# EAGLE board Mk4 Final a Panel score 2x5 (EAGLE 9.0.1), part 29 of 29 (continued)
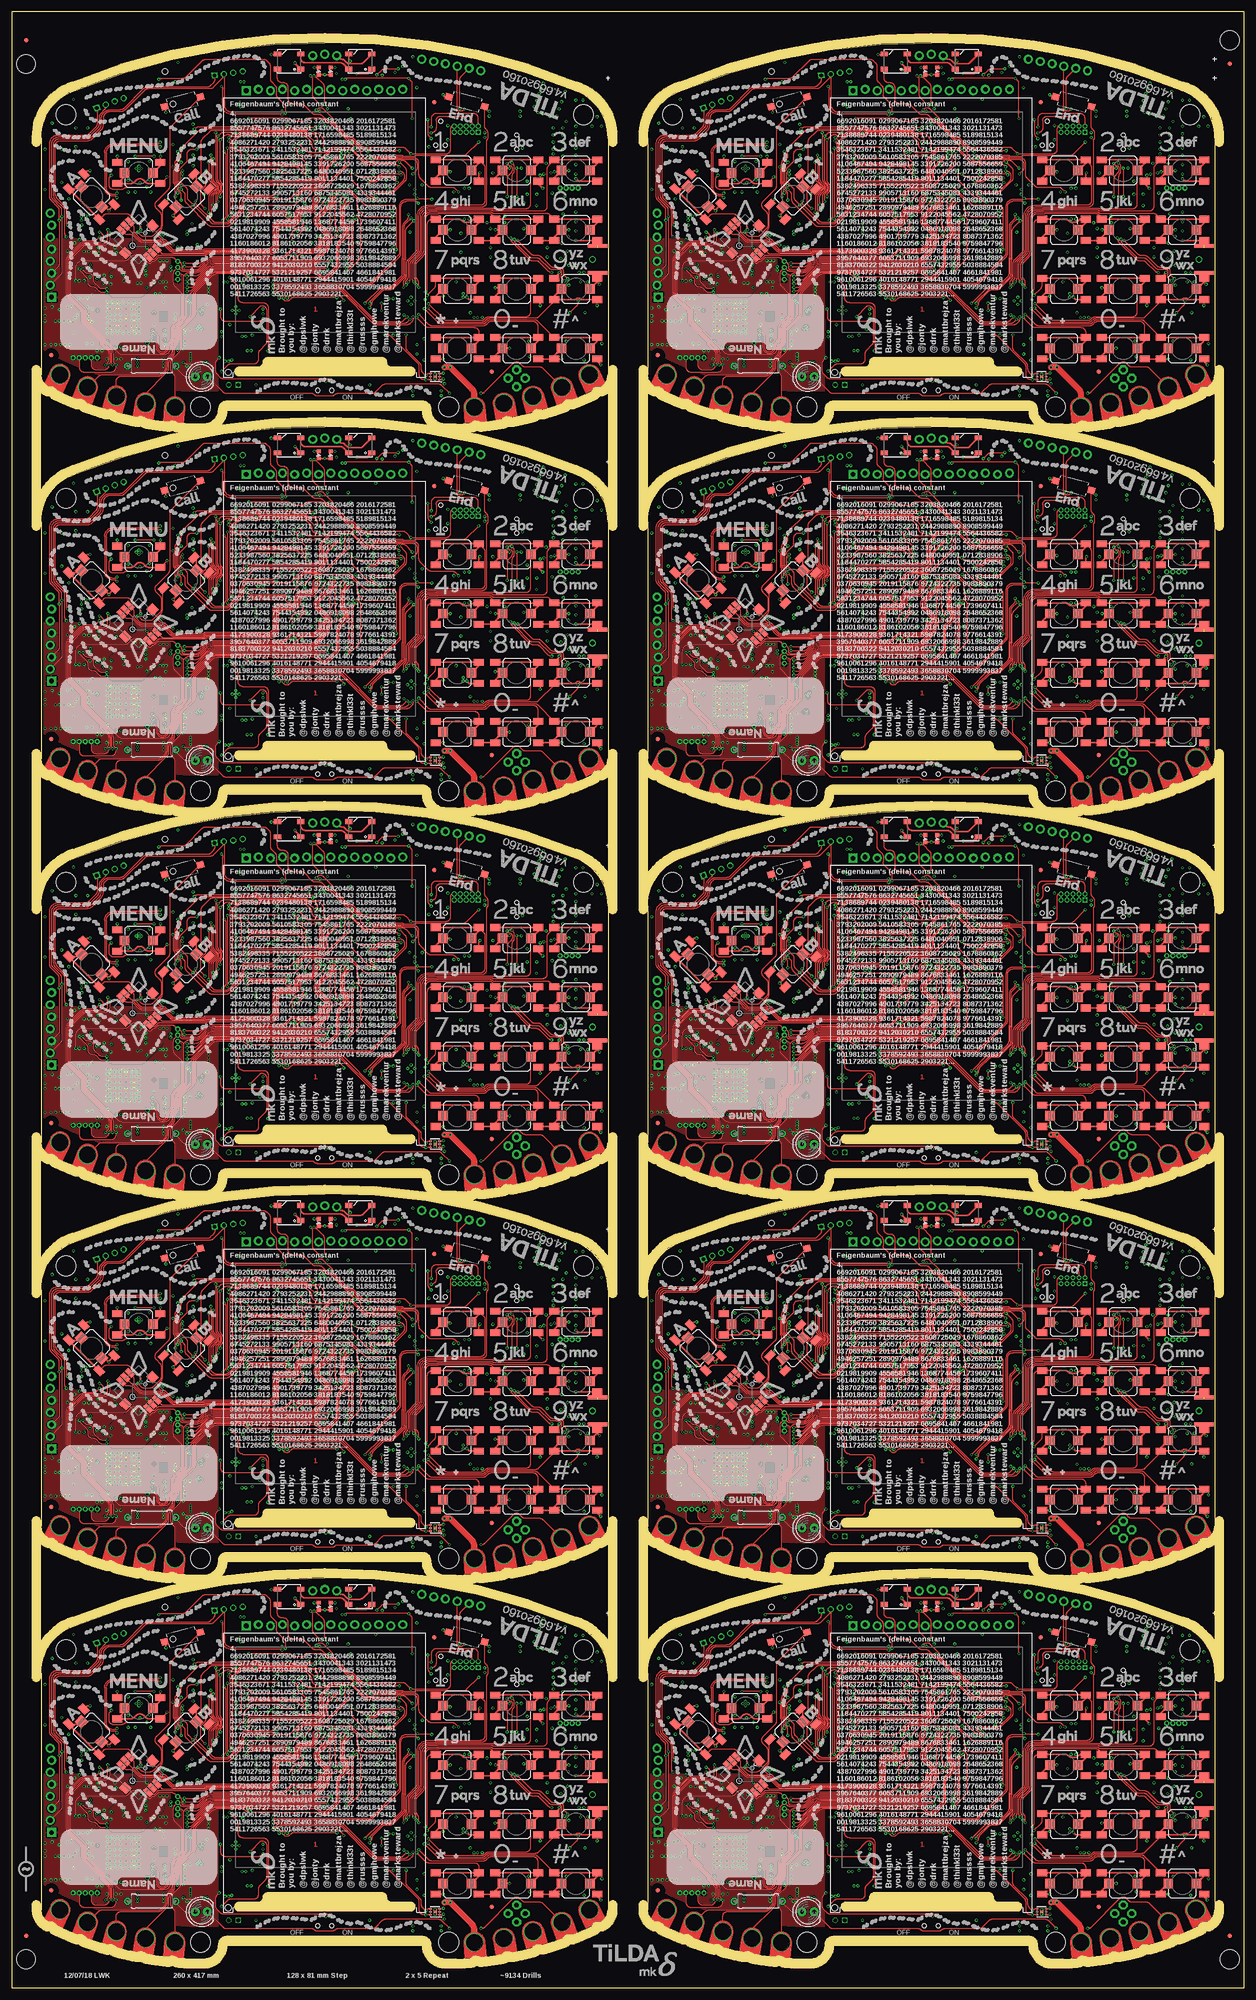
[diagram p0: board, top side]
## Tracks (layer width: path | path; a pad name or v marks a point on that pad's centre or on a via) (continued)
WS2812_OUT4
  Top 0.3: LED26.2 74.14,244.29 arc-45 73.44,244 71.41,244 arc-45 70.71,244.29 70.29,244.71 arc45 69.59,245 arc-45 69.12,245.19 JP38.3
WS2812_OUT5
  Top 0.3: LED32.2 202.14,244.29 arc-45 201.44,244 199.41,244 arc-45 198.71,244.29 198.29,244.71 arc45 197.59,245 arc-45 197.12,245.19 JP47.3
WS2812_OUT6
  Top 0.3: LED38.2 74.14,325.29 arc-45 73.44,325 71.41,325 arc-45 70.71,325.29 70.29,325.71 arc45 69.59,326 arc-45 69.12,326.19 JP56.3
WS2812_OUT7
  Top 0.3: LED44.2 202.14,325.29 arc-45 201.44,325 199.41,325 arc-45 198.71,325.29 198.29,325.71 arc45 197.59,326 arc-45 197.12,326.19 JP65.3
WS2812_OUT8
  Top 0.3: LED50.2 74.14,406.29 arc-45 73.44,406 71.41,406 arc-45 70.71,406.29 70.29,406.71 arc45 69.59,407 arc-45 69.12,407.19 JP74.3
WS2812_OUT9
  Top 0.3: LED56.2 202.14,406.29 arc-45 201.44,406 199.41,406 arc-45 198.71,406.29 198.29,406.71 arc45 197.59,407 arc-45 197.12,407.19 JP83.3
WS28212_1
  Top 0.3: LED2.4 69.99,81.96 arc45 69.29,82.25 61.95,82.25 arc-90 60.95,83.25 LED1.2
WS28212_2
  Top 0.3: LED8.4 197.99,81.96 arc45 197.29,82.25 189.95,82.25 arc-90 188.95,83.25 LED7.2
WS28212_3
  Top 0.3: LED14.4 69.99,162.96 arc45 69.29,163.25 61.95,163.25 arc-90 60.95,164.25 LED13.2
WS28212_4
  Top 0.3: LED20.4 197.99,162.96 arc45 197.29,163.25 189.95,163.25 arc-90 188.95,164.25 LED19.2
WS28212_5
  Top 0.3: LED26.4 69.99,243.96 arc45 69.29,244.25 61.95,244.25 arc-90 60.95,245.25 LED25.2
WS28212_6
  Top 0.3: LED32.4 197.99,243.96 arc45 197.29,244.25 189.95,244.25 arc-90 188.95,245.25 LED31.2
WS28212_7
  Top 0.3: LED38.4 69.99,324.96 arc45 69.29,325.25 61.95,325.25 arc-90 60.95,326.25 LED37.2
WS28212_8
  Top 0.3: LED44.4 197.99,324.96 arc45 197.29,325.25 189.95,325.25 arc-90 188.95,326.25 LED43.2
WS28212_9
  Top 0.3: LED50.4 69.99,405.96 arc45 69.29,406.25 61.95,406.25 arc-90 60.95,407.25 LED49.2
WS28212_10
  Top 0.3: LED56.4 197.99,405.96 arc45 197.29,406.25 189.95,406.25 arc-90 188.95,407.25 LED55.2
XOSC0
  Bottom 0.15: IC1.66 60.2,68.7 C18.2 59.9,69.1 arc90 59.4,69.6 59.35,69.6 arc-90 58.85,70.1 X1.P$1
XOSC1
  Bottom 0.15: IC1.67 60.6,68.7 C19.2 60.9,69.1 arc-90 61.4,69.6 61.45,69.6 arc90 61.95,70.1 X1.P$2
XOSC2
  Bottom 0.15: IC20.66 188.2,68.7 C128.2 187.9,69.1 arc90 187.4,69.6 187.35,69.6 arc-90 186.85,70.1 X5.P$1
XOSC3
  Bottom 0.15: IC20.67 188.6,68.7 C129.2 188.9,69.1 arc-90 189.4,69.6 189.45,69.6 arc90 189.95,70.1 X5.P$2
XOSC4
  Bottom 0.15: IC38.66 60.2,149.7 C236.2 59.9,150.1 arc90 59.4,150.6 59.35,150.6 arc-90 58.85,151.1 X9.P$1
XOSC5
  Bottom 0.15: IC38.67 60.6,149.7 C237.2 60.9,150.1 arc-90 61.4,150.6 61.45,150.6 arc90 61.95,151.1 X9.P$2
XOSC6
  Bottom 0.15: IC56.66 188.2,149.7 C344.2 187.9,150.1 arc90 187.4,150.6 187.35,150.6 arc-90 186.85,151.1 X13.P$1
XOSC7
  Bottom 0.15: IC56.67 188.6,149.7 C345.2 188.9,150.1 arc-90 189.4,150.6 189.45,150.6 arc90 189.95,151.1 X13.P$2
XOSC8
  Bottom 0.15: IC74.66 60.2,230.7 C452.2 59.9,231.1 arc90 59.4,231.6 59.35,231.6 arc-90 58.85,232.1 X17.P$1
XOSC9
  Bottom 0.15: IC74.67 60.6,230.7 C453.2 60.9,231.1 arc-90 61.4,231.6 61.45,231.6 arc90 61.95,232.1 X17.P$2
XOSC10
  Bottom 0.15: IC92.66 188.2,230.7 C560.2 187.9,231.1 arc90 187.4,231.6 187.35,231.6 arc-90 186.85,232.1 X21.P$1
XOSC11
  Bottom 0.15: IC92.67 188.6,230.7 C561.2 188.9,231.1 arc-90 189.4,231.6 189.45,231.6 arc90 189.95,232.1 X21.P$2
XOSC12
  Bottom 0.15: IC110.66 60.2,311.7 C668.2 59.9,312.1 arc90 59.4,312.6 59.35,312.6 arc-90 58.85,313.1 X25.P$1
XOSC13
  Bottom 0.15: IC110.67 60.6,311.7 C669.2 60.9,312.1 arc-90 61.4,312.6 61.45,312.6 arc90 61.95,313.1 X25.P$2
XOSC14
  Bottom 0.15: IC128.66 188.2,311.7 C776.2 187.9,312.1 arc90 187.4,312.6 187.35,312.6 arc-90 186.85,313.1 X29.P$1
XOSC15
  Bottom 0.15: IC128.67 188.6,311.7 C777.2 188.9,312.1 arc-90 189.4,312.6 189.45,312.6 arc90 189.95,313.1 X29.P$2
XOSC16
  Bottom 0.15: IC146.66 60.2,392.7 C884.2 59.9,393.1 arc90 59.4,393.6 59.35,393.6 arc-90 58.85,394.1 X33.P$1
XOSC17
  Bottom 0.15: IC146.67 60.6,392.7 C885.2 60.9,393.1 arc-90 61.4,393.6 61.45,393.6 arc90 61.95,394.1 X33.P$2
XOSC18
  Bottom 0.15: IC164.66 188.2,392.7 C992.2 187.9,393.1 arc90 187.4,393.6 187.35,393.6 arc-90 186.85,394.1 X37.P$1
XOSC19
  Bottom 0.15: IC164.67 188.6,392.7 C993.2 188.9,393.1 arc-90 189.4,393.6 189.45,393.6 arc90 189.95,394.1 X37.P$2

## Text on the board
tPlace: Feigenbaum's (delta) constant | Feigenbaum's (delta) constant | 4. / 6692016091 0299067185 3203820466 2016172581 / 8557747576 8632745651 3430041343 3021131473 / 7138689744 0239480138 1716598485 5189815134 / 4086271420 2793252231 2442988890 8908599449 / 3546323671 3411532481 7142199474 5564436582 / 3793202009 5610583305 7545861765 2222070385 / 4106467494 9428498145 3391726200 5687556659 / 5233987560 3825637225 6480040951 0712838906 / 1184470277 5854285419 8011134401 7500242858 / 5382498335 7155220522 3608725029 1678860362 / 6745272133 9905713160 6875345083 4339344461 / 0370630945 2019115876 9724322735 8983890379 / 4946257251 2890979489 8676833461 1626889116 / 5631234744 6057517953 9122045562 4728070952 / 0219819909 4558581946 1368774456 1739607411 / 5614074243 7544354992 0486918098 2648652368 / 4387027996 4901739779 3425134723 8087371362 / 1160186012 8186102056 3818183540 9759847796 / 4173900328 9361714321 5987824078 9776614391 / 3957640377 6053711909 6932066998 3619842889 / 8183700322 9412030210 6557432955 5038884584 / 9737034727 5321219257 0695841407 4661841981 / 9610061296 4016148771 2944415901 4054679418 / 0019813325 3378592493 3658830704 5999993837 / 5411726563 5530168625 2903221... | 4. / 6692016091 0299067185 3203820466 2016172581 / 8557747576 8632745651 3430041343 3021131473 / 7138689744 0239480138 1716598485 5189815134 / 4086271420 2793252231 2442988890 8908599449 / 3546323671 3411532481 7142199474 5564436582 / 3793202009 5610583305 7545861765 2222070385 / 4106467494 9428498145 3391726200 5687556659 / 5233987560 3825637225 6480040951 0712838906 / 1184470277 5854285419 8011134401 7500242858 / 5382498335 7155220522 3608725029 1678860362 / 6745272133 9905713160 6875345083 4339344461 / 0370630945 2019115876 9724322735 8983890379 / 4946257251 2890979489 8676833461 1626889116 / 5631234744 6057517953 9122045562 4728070952 / 0219819909 4558581946 1368774456 1739607411 / 5614074243 7544354992 0486918098 2648652368 / 4387027996 4901739779 3425134723 8087371362 / 1160186012 8186102056 3818183540 9759847796 / 4173900328 9361714321 5987824078 9776614391 / 3957640377 6053711909 6932066998 3619842889 / 8183700322 9412030210 6557432955 5038884584 / 9737034727 5321219257 0695841407 4661841981 / 9610061296 4016148771 2944415901 4054679418 / 0019813325 3378592493 3658830704 5999993837 / 5411726563 5530168625 2903221... | OFF | ON | OFF | ON | Feigenbaum's (delta) constant | Feigenbaum's (delta) constant | 4. / 6692016091 0299067185 3203820466 2016172581 / 8557747576 8632745651 3430041343 3021131473 / 7138689744 0239480138 1716598485 5189815134 / 4086271420 2793252231 2442988890 8908599449 / 3546323671 3411532481 7142199474 5564436582 / 3793202009 5610583305 7545861765 2222070385 / 4106467494 9428498145 3391726200 5687556659 / 5233987560 3825637225 6480040951 0712838906 / 1184470277 5854285419 8011134401 7500242858 / 5382498335 7155220522 3608725029 1678860362 / 6745272133 9905713160 6875345083 4339344461 / 0370630945 2019115876 9724322735 8983890379 / 4946257251 2890979489 8676833461 1626889116 / 5631234744 6057517953 9122045562 4728070952 / 0219819909 4558581946 1368774456 1739607411 / 5614074243 7544354992 0486918098 2648652368 / 4387027996 4901739779 3425134723 8087371362 / 1160186012 8186102056 3818183540 9759847796 / 4173900328 9361714321 5987824078 9776614391 / 3957640377 6053711909 6932066998 3619842889 / 8183700322 9412030210 6557432955 5038884584 / 9737034727 5321219257 0695841407 4661841981 / 9610061296 4016148771 2944415901 4054679418 / 0019813325 3378592493 3658830704 5999993837 / 5411726563 5530168625 2903221... | 4. / 6692016091 0299067185 3203820466 2016172581 / 8557747576 8632745651 3430041343 3021131473 / 7138689744 0239480138 1716598485 5189815134 / 4086271420 2793252231 2442988890 8908599449 / 3546323671 3411532481 7142199474 5564436582 / 3793202009 5610583305 7545861765 2222070385 / 4106467494 9428498145 3391726200 5687556659 / 5233987560 3825637225 6480040951 0712838906 / 1184470277 5854285419 8011134401 7500242858 / 5382498335 7155220522 3608725029 1678860362 / 6745272133 9905713160 6875345083 4339344461 / 0370630945 2019115876 9724322735 8983890379 / 4946257251 2890979489 8676833461 1626889116 / 5631234744 6057517953 9122045562 4728070952 / 0219819909 4558581946 1368774456 1739607411 / 5614074243 7544354992 0486918098 2648652368 / 4387027996 4901739779 3425134723 8087371362 / 1160186012 8186102056 3818183540 9759847796 / 4173900328 9361714321 5987824078 9776614391 / 3957640377 6053711909 6932066998 3619842889 / 8183700322 9412030210 6557432955 5038884584 / 9737034727 5321219257 0695841407 4661841981 / 9610061296 4016148771 2944415901 4054679418 / 0019813325 3378592493 3658830704 5999993837 / 5411726563 5530168625 2903221... | OFF | ON | OFF | ON | Feigenbaum's (delta) constant | Feigenbaum's (delta) constant | 4. / 6692016091 0299067185 3203820466 2016172581 / 8557747576 8632745651 3430041343 3021131473 / 7138689744 0239480138 1716598485 5189815134 / 4086271420 2793252231 2442988890 8908599449 / 3546323671 3411532481 7142199474 5564436582 / 3793202009 5610583305 7545861765 2222070385 / 4106467494 9428498145 3391726200 5687556659 / 5233987560 3825637225 6480040951 0712838906 / 1184470277 5854285419 8011134401 7500242858 / 5382498335 7155220522 3608725029 1678860362 / 6745272133 9905713160 6875345083 4339344461 / 0370630945 2019115876 9724322735 8983890379 / 4946257251 2890979489 8676833461 1626889116 / 5631234744 6057517953 9122045562 4728070952 / 0219819909 4558581946 1368774456 1739607411 / 5614074243 7544354992 0486918098 2648652368 / 4387027996 4901739779 3425134723 8087371362 / 1160186012 8186102056 3818183540 9759847796 / 4173900328 9361714321 5987824078 9776614391 / 3957640377 6053711909 6932066998 3619842889 / 8183700322 9412030210 6557432955 5038884584 / 9737034727 5321219257 0695841407 4661841981 / 9610061296 4016148771 2944415901 4054679418 / 0019813325 3378592493 3658830704 5999993837 / 5411726563 5530168625 2903221... | 4. / 6692016091 0299067185 3203820466 2016172581 / 8557747576 8632745651 3430041343 3021131473 / 7138689744 0239480138 1716598485 5189815134 / 4086271420 2793252231 2442988890 8908599449 / 3546323671 3411532481 7142199474 5564436582 / 3793202009 5610583305 7545861765 2222070385 / 4106467494 9428498145 3391726200 5687556659 / 5233987560 3825637225 6480040951 0712838906 / 1184470277 5854285419 8011134401 7500242858 / 5382498335 7155220522 3608725029 1678860362 / 6745272133 9905713160 6875345083 4339344461 / 0370630945 2019115876 9724322735 8983890379 / 4946257251 2890979489 8676833461 1626889116 / 5631234744 6057517953 9122045562 4728070952 / 0219819909 4558581946 1368774456 1739607411 / 5614074243 7544354992 0486918098 2648652368 / 4387027996 4901739779 3425134723 8087371362 / 1160186012 8186102056 3818183540 9759847796 / 4173900328 9361714321 5987824078 9776614391 / 3957640377 6053711909 6932066998 3619842889 / 8183700322 9412030210 6557432955 5038884584 / 9737034727 5321219257 0695841407 4661841981 / 9610061296 4016148771 2944415901 4054679418 / 0019813325 3378592493 3658830704 5999993837 / 5411726563 5530168625 2903221... | OFF | ON | OFF | ON | Feigenbaum's (delta) constant | Feigenbaum's (delta) constant | 4. / 6692016091 0299067185 3203820466 2016172581 / 8557747576 8632745651 3430041343 3021131473 / 7138689744 0239480138 1716598485 5189815134 / 4086271420 2793252231 2442988890 8908599449 / 3546323671 3411532481 7142199474 5564436582 / 3793202009 5610583305 7545861765 2222070385 / 4106467494 9428498145 3391726200 5687556659 / 5233987560 3825637225 6480040951 0712838906 / 1184470277 5854285419 8011134401 7500242858 / 5382498335 7155220522 3608725029 1678860362 / 6745272133 9905713160 6875345083 4339344461 / 0370630945 2019115876 9724322735 8983890379 / 4946257251 2890979489 8676833461 1626889116 / 5631234744 6057517953 9122045562 4728070952 / 0219819909 4558581946 1368774456 1739607411 / 5614074243 7544354992 0486918098 2648652368 / 4387027996 4901739779 3425134723 8087371362 / 1160186012 8186102056 3818183540 9759847796 / 4173900328 9361714321 5987824078 9776614391 / 3957640377 6053711909 6932066998 3619842889 / 8183700322 9412030210 6557432955 5038884584 / 9737034727 5321219257 0695841407 4661841981 / 9610061296 4016148771 2944415901 4054679418 / 0019813325 3378592493 3658830704 5999993837 / 5411726563 5530168625 2903221... | 4. / 6692016091 0299067185 3203820466 2016172581 / 8557747576 8632745651 3430041343 3021131473 / 7138689744 0239480138 1716598485 5189815134 / 4086271420 2793252231 2442988890 8908599449 / 3546323671 3411532481 7142199474 5564436582 / 3793202009 5610583305 7545861765 2222070385 / 4106467494 9428498145 3391726200 5687556659 / 5233987560 3825637225 6480040951 0712838906 / 1184470277 5854285419 8011134401 7500242858 / 5382498335 7155220522 3608725029 1678860362 / 6745272133 9905713160 6875345083 4339344461 / 0370630945 2019115876 9724322735 8983890379 / 4946257251 2890979489 8676833461 1626889116 / 5631234744 6057517953 9122045562 4728070952 / 0219819909 4558581946 1368774456 1739607411 / 5614074243 7544354992 0486918098 2648652368 / 4387027996 4901739779 3425134723 8087371362 / 1160186012 8186102056 3818183540 9759847796 / 4173900328 9361714321 5987824078 9776614391 / 3957640377 6053711909 6932066998 3619842889 / 8183700322 9412030210 6557432955 5038884584 / 9737034727 5321219257 0695841407 4661841981 / 9610061296 4016148771 2944415901 4054679418 / 0019813325 3378592493 3658830704 5999993837 / 5411726563 5530168625 2903221... | OFF | ON | OFF | ON | Feigenbaum's (delta) constant | Feigenbaum's (delta) constant | 4. / 6692016091 0299067185 3203820466 2016172581 / 8557747576 8632745651 3430041343 3021131473 / 7138689744 0239480138 1716598485 5189815134 / 4086271420 2793252231 2442988890 8908599449 / 3546323671 3411532481 7142199474 5564436582 / 3793202009 5610583305 7545861765 2222070385 / 4106467494 9428498145 3391726200 5687556659 / 5233987560 3825637225 6480040951 0712838906 / 1184470277 5854285419 8011134401 7500242858 / 5382498335 7155220522 3608725029 1678860362 / 6745272133 9905713160 6875345083 4339344461 / 0370630945 2019115876 9724322735 8983890379 / 4946257251 2890979489 8676833461 1626889116 / 5631234744 6057517953 9122045562 4728070952 / 0219819909 4558581946 1368774456 1739607411 / 5614074243 7544354992 0486918098 2648652368 / 4387027996 4901739779 3425134723 8087371362 / 1160186012 8186102056 3818183540 9759847796 / 4173900328 9361714321 5987824078 9776614391 / 3957640377 6053711909 6932066998 3619842889 / 8183700322 9412030210 6557432955 5038884584 / 9737034727 5321219257 0695841407 4661841981 / 9610061296 4016148771 2944415901 4054679418 / 0019813325 3378592493 3658830704 5999993837 / 5411726563 5530168625 2903221... | 4. / 6692016091 0299067185 3203820466 2016172581 / 8557747576 8632745651 3430041343 3021131473 / 7138689744 0239480138 1716598485 5189815134 / 4086271420 2793252231 2442988890 8908599449 / 3546323671 3411532481 7142199474 5564436582 / 3793202009 5610583305 7545861765 2222070385 / 4106467494 9428498145 3391726200 5687556659 / 5233987560 3825637225 6480040951 0712838906 / 1184470277 5854285419 8011134401 7500242858 / 5382498335 7155220522 3608725029 1678860362 / 6745272133 9905713160 6875345083 4339344461 / 0370630945 2019115876 9724322735 8983890379 / 4946257251 2890979489 8676833461 1626889116 / 5631234744 6057517953 9122045562 4728070952 / 0219819909 4558581946 1368774456 1739607411 / 5614074243 7544354992 0486918098 2648652368 / 4387027996 4901739779 3425134723 8087371362 / 1160186012 8186102056 3818183540 9759847796 / 4173900328 9361714321 5987824078 9776614391 / 3957640377 6053711909 6932066998 3619842889 / 8183700322 9412030210 6557432955 5038884584 / 9737034727 5321219257 0695841407 4661841981 / 9610061296 4016148771 2944415901 4054679418 / 0019813325 3378592493 3658830704 5999993837 / 5411726563 5530168625 2903221... | OFF | ON | OFF | ON | 12/07/18 LWK | 260 x 417 mm | 128 x 81 mm Step | 2 x 5 Repeat | ~9134 Drills
bPlace: GND | VBAT | WS | GND | GND | VBAT | WS | GND | RX | TX | RX | TX | V | UART0 / Console | HELP? | V | UART0 / Console | HELP? | SCL | SDA | SCL | SDA | I2C5 | I2C5 | GND | L2 | L1 | RX- | RX+ | TX- | TX+ | 3V3 | GND | L2 | L1 | RX- | RX+ | TX- | TX+ | 3V3 | V | G | V | G | TX | TX | RX | UART4 | RX | UART4 | !HIB | ON | !HIB | ON | MIC | MIC | OFF | OFF | SIM USB | SIM USB | 3V3 | 3V3 | RI | RI | SDA | DTR | SDA | DTR | I2C5 | I2C5 | SCL | DCD | SCL | DCD | CTS | CTS | CCP1 | RTS | CCP1 | RTS | TIM4 | TX | TIM4 | TX | CCP0 | RX | CCP0 | RX | RX | CC UART | STATUS | RX | CC UART | STATUS | NETLIGHT | NETLIGHT | UART4 | UART4 | TX | PWR_KEY | TX | PWR_KEY | GND | GND | GND | 3V3 | GND | 3V3 | badge.emfcamp.org/2018 | badge.emfcamp.org/2018 | VBAT | designed and assembled in the UK | VBAT | designed and assembled in the UK | T62 | V_UNREG | T62 | V_UNREG | CC FLASH | CC FLASH | VBATT | VBATT | 0V | 0V | I2C5 | 3.3V | I2C5 | 3.3V | UART4 | UART4 | TX | FET | TX | FET | RX | TIM4 | SDA | RX | TIM4 | SDA | CCP0 | Hall | SCL | CCP0 | Hall | SCL | CCP1 | Wake | OFF | ON | Reset | VBATT | CCP1 | Wake | OFF | ON | Reset | VBATT | GND | VBAT | WS | GND | GND | VBAT | WS | GND | RX | TX | RX | TX | V | UART0 / Console | HELP? | V | UART0 / Console | HELP? | SCL | SDA | SCL | SDA | I2C5 | I2C5 | GND | L2 | L1 | RX- | RX+ | TX- | TX+ | 3V3 | GND | L2 | L1 | RX- | RX+ | TX- | TX+ | 3V3 | V | G | V | G | TX | TX | RX | UART4 | RX | UART4 | !HIB | ON | !HIB | ON | MIC | MIC | OFF | OFF | SIM USB | SIM USB | 3V3 | 3V3 | RI | RI | SDA | SDA | I2C5 | DTR | I2C5 | DTR | DCD | DCD | SCL | CTS | SCL | CTS | CCP1 | RTS | CCP1 | RTS | TIM4 | TX | TIM4 | TX | CCP0 | RX | CCP0 | RX | STATUS | STATUS | RX | CC UART | RX | CC UART | UART4 | NETLIGHT | UART4 | NETLIGHT | TX | PWR_KEY | TX | PWR_KEY | GND | GND | GND | 3V3 | GND | 3V3 | badge.emfcamp.org/2018 | badge.emfcamp.org/2018 | VBAT | designed and assembled in the UK | VBAT | designed and assembled in the UK | T62 | T62 | CC FLASH | V_UNREG | CC FLASH | V_UNREG | 0V | VBATT | 0V | VBATT | 3.3V | 3.3V | UART4 | I2C5 | UART4 | I2C5 | TX | FET | TX | FET | RX | TIM4 | RX | TIM4 | SDA | SDA | CCP0 | Wake | Reset | Hall | SCL | CCP0 | Wake | Reset | Hall | SCL | CCP1 | OFF | ON | VBATT | CCP1 | OFF | ON | VBATT | GND | VBAT | WS | GND | GND | VBAT | WS | GND | RX | TX | RX | TX | V | UART0 / Console | HELP? | V | UART0 / Console | HELP? | SCL | SDA | SCL | SDA | I2C5 | I2C5 | GND | L2 | L1 | RX- | RX+ | TX- | TX+ | 3V3 | GND | L2 | L1 | RX- | RX+ | TX- | TX+ | 3V3 | V | G | V | G | TX | TX | RX | UART4 | RX | UART4 | !HIB | ON | !HIB | ON | MIC | MIC | OFF | OFF | SIM USB | SIM USB | 3V3 | 3V3 | RI | RI | SDA | DTR | SDA | DTR | I2C5 | I2C5 | SCL | DCD | SCL | DCD | CTS | CTS | CCP1 | RTS | CCP1 | RTS | TIM4 | TX | TIM4 | TX | CCP0 | RX | CCP0 | RX | RX | CC UART | STATUS | RX | CC UART | STATUS | NETLIGHT | NETLIGHT | UART4 | UART4 | TX | PWR_KEY | TX | PWR_KEY | GND | GND | GND | 3V3 | GND | 3V3 | badge.emfcamp.org/2018 | badge.emfcamp.org/2018 | VBAT | designed and assembled in the UK | VBAT | designed and assembled in the UK | T62 | V_UNREG | T62 | V_UNREG | CC FLASH | CC FLASH | VBATT | VBATT | 0V | 0V | I2C5 | 3.3V | I2C5 | 3.3V | UART4 | UART4 | TX | FET | TX | FET | RX | TIM4 | SDA | RX | TIM4 | SDA | CCP0 | Hall | SCL | CCP0 | Hall | SCL | CCP1 | Wake | OFF | ON | Reset | VBATT | CCP1 | Wake | OFF | ON | Reset | VBATT | GND | VBAT | WS | GND | GND | VBAT | WS | GND | RX | TX | RX | TX | V | UART0 / Console | HELP? | V | UART0 / Console | HELP? | SCL | SDA | SCL | SDA | I2C5 | I2C5 | GND | L2 | L1 | RX- | RX+ | TX- | TX+ | 3V3 | GND | L2 | L1 | RX- | RX+ | TX- | TX+ | 3V3 | V | G | V | G | TX | TX | RX | UART4 | RX | UART4 | !HIB | ON | !HIB | ON | MIC | MIC | OFF | OFF | SIM USB | SIM USB | 3V3 | 3V3 | RI | RI | SDA | SDA | I2C5 | DTR | I2C5 | DTR | DCD | DCD | SCL | CTS | SCL | CTS | CCP1 | RTS | CCP1 | RTS | TIM4 | TX | TIM4 | TX | CCP0 | RX | CCP0 | RX | STATUS | STATUS | RX | CC UART | RX | CC UART | UART4 | NETLIGHT | UART4 | NETLIGHT | TX | PWR_KEY | TX | PWR_KEY | GND | GND | GND | 3V3 | GND | 3V3 | badge.emfcamp.org/2018 | badge.emfcamp.org/2018 | VBAT | designed and assembled in the UK | VBAT | designed and assembled in the UK | T62 | T62 | CC FLASH | V_UNREG | CC FLASH | V_UNREG | 0V | VBATT | 0V | VBATT | 3.3V | 3.3V | UART4 | I2C5 | UART4 | I2C5 | TX | FET | TX | FET | RX | TIM4 | RX | TIM4 | SDA | SDA | CCP0 | Wake | Reset | Hall | SCL | CCP0 | Wake | Reset | Hall | SCL | CCP1 | OFF | ON | VBATT | CCP1 | OFF | ON | VBATT | GND | VBAT | WS | GND | GND | VBAT | WS | GND | RX | TX | RX | TX | V | UART0 / Console | HELP? | V | UART0 / Console | HELP? | SCL | SDA | SCL | SDA | I2C5 | I2C5 | GND | L2 | L1 | RX- | RX+ | TX- | TX+ | 3V3 | GND | L2 | L1 | RX- | RX+ | TX- | TX+ | 3V3 | V | G | V | G | TX | TX | RX | UART4 | RX | UART4 | !HIB | ON | !HIB | ON | MIC | MIC | OFF | OFF | SIM USB | SIM USB | 3V3 | 3V3 | RI | RI | SDA | DTR | SDA | DTR | I2C5 | I2C5 | SCL | DCD | SCL | DCD | CTS | CTS | CCP1 | RTS | CCP1 | RTS | TIM4 | TX | TIM4 | TX | CCP0 | RX | CCP0 | RX | RX | CC UART | STATUS | RX | CC UART | STATUS | NETLIGHT | NETLIGHT | UART4 | UART4 | TX | PWR_KEY | TX | PWR_KEY | GND | GND | GND | 3V3 | GND | 3V3 | badge.emfcamp.org/2018 | badge.emfcamp.org/2018 | VBAT | designed and assembled in the UK | VBAT | designed and assembled in the UK | T62 | V_UNREG | T62 | V_UNREG | CC FLASH | CC FLASH | VBATT | VBATT | 0V | 0V | I2C5 | 3.3V | I2C5 | 3.3V | UART4 | UART4 | TX | FET | TX | FET | RX | TIM4 | SDA | RX | TIM4 | SDA | CCP0 | Hall | SCL | CCP0 | Hall | SCL | CCP1 | Wake | OFF | ON | Reset | VBATT | CCP1 | Wake | OFF | ON | Reset | VBATT